# Altium PCB Salico Picker Motor Controller Breakout.PcbDoc
Units mm, origin at the board's own origin, x right, y up, seen from the top; angles counter-clockwise.
Board outline 80 x 50 mm, 4 copper layers (L1, L2, L3, L4), stack 0.603 mm thick; 80 components, 58 nets, 249 pads, 720 vias.
Unrouted connection lines stored in the file: 123.
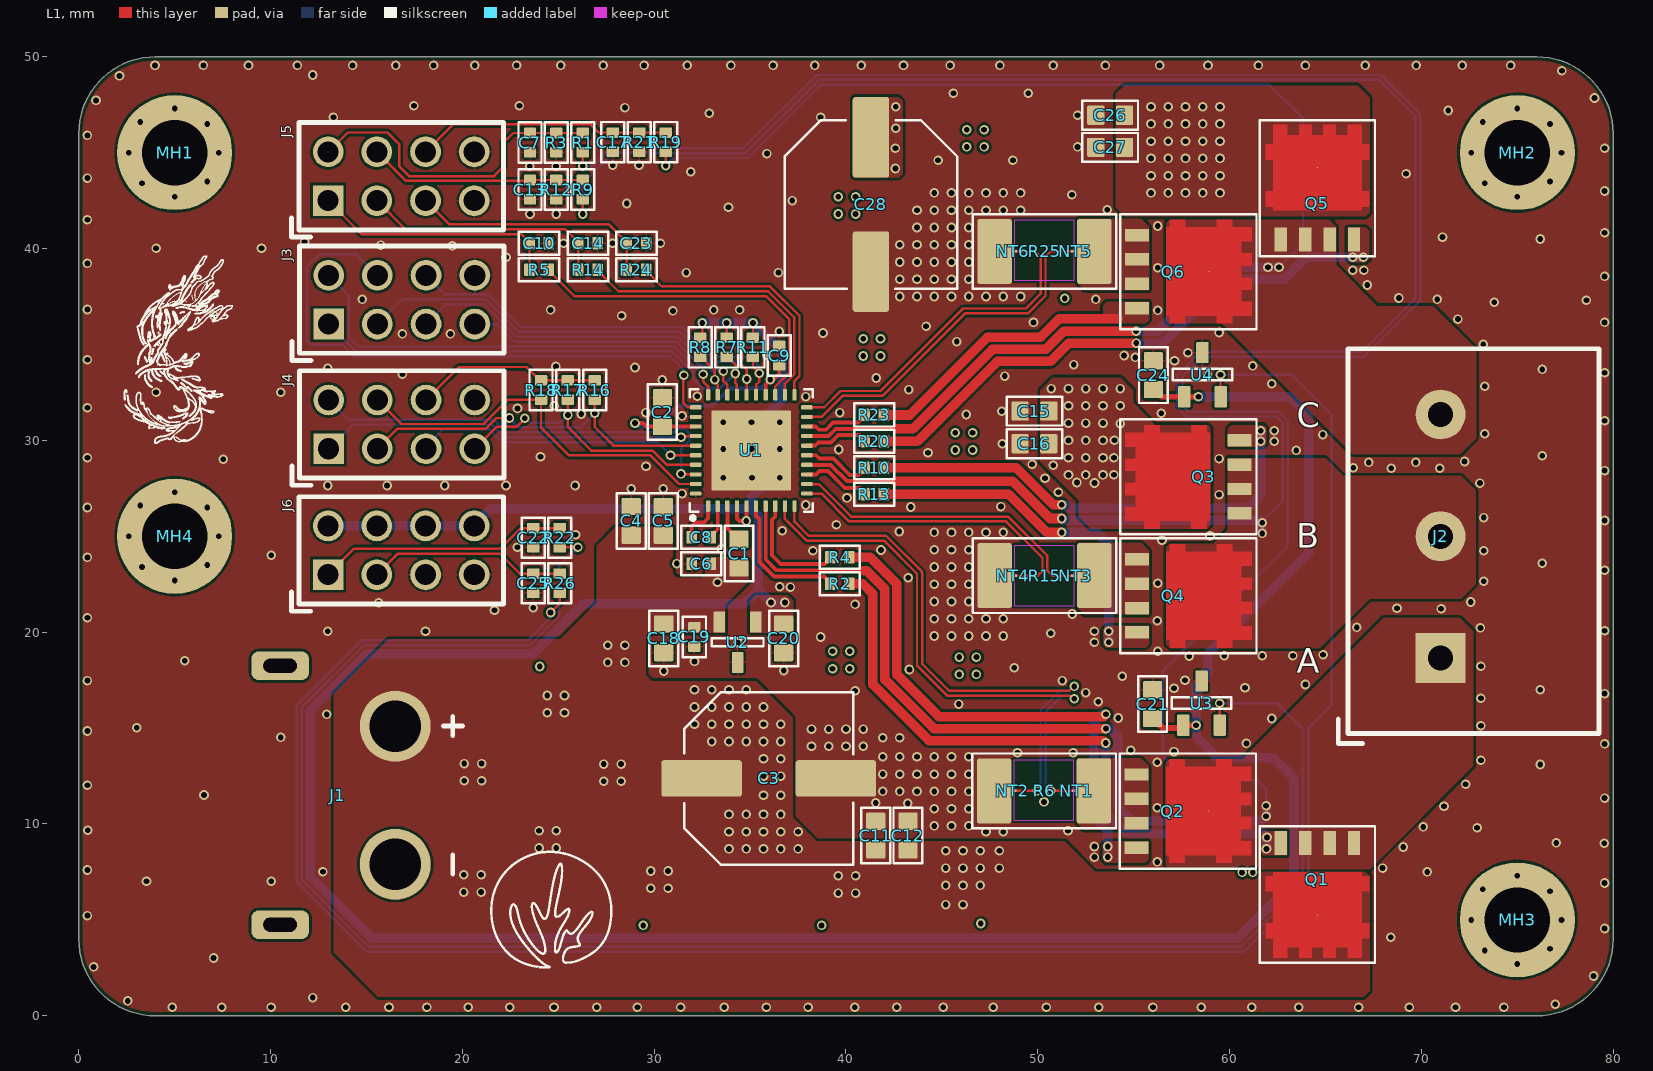
[diagram p0: L1 view]
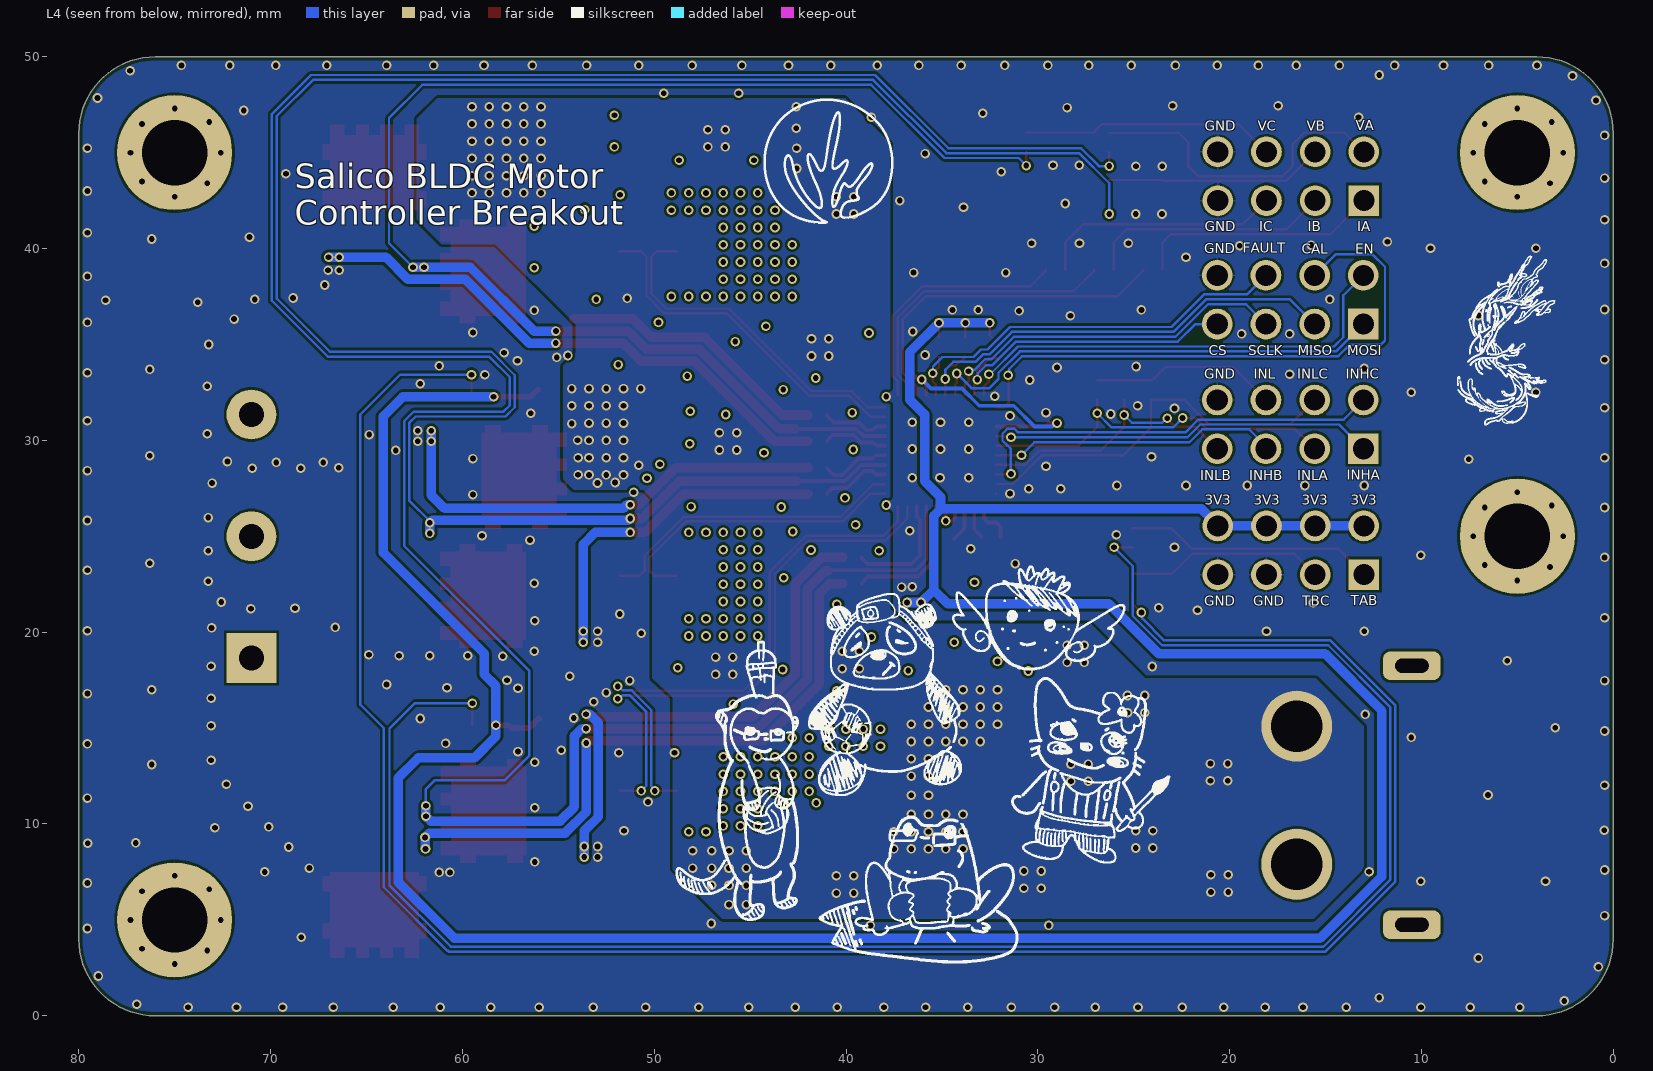
[diagram p1: L4 view, seen from below]
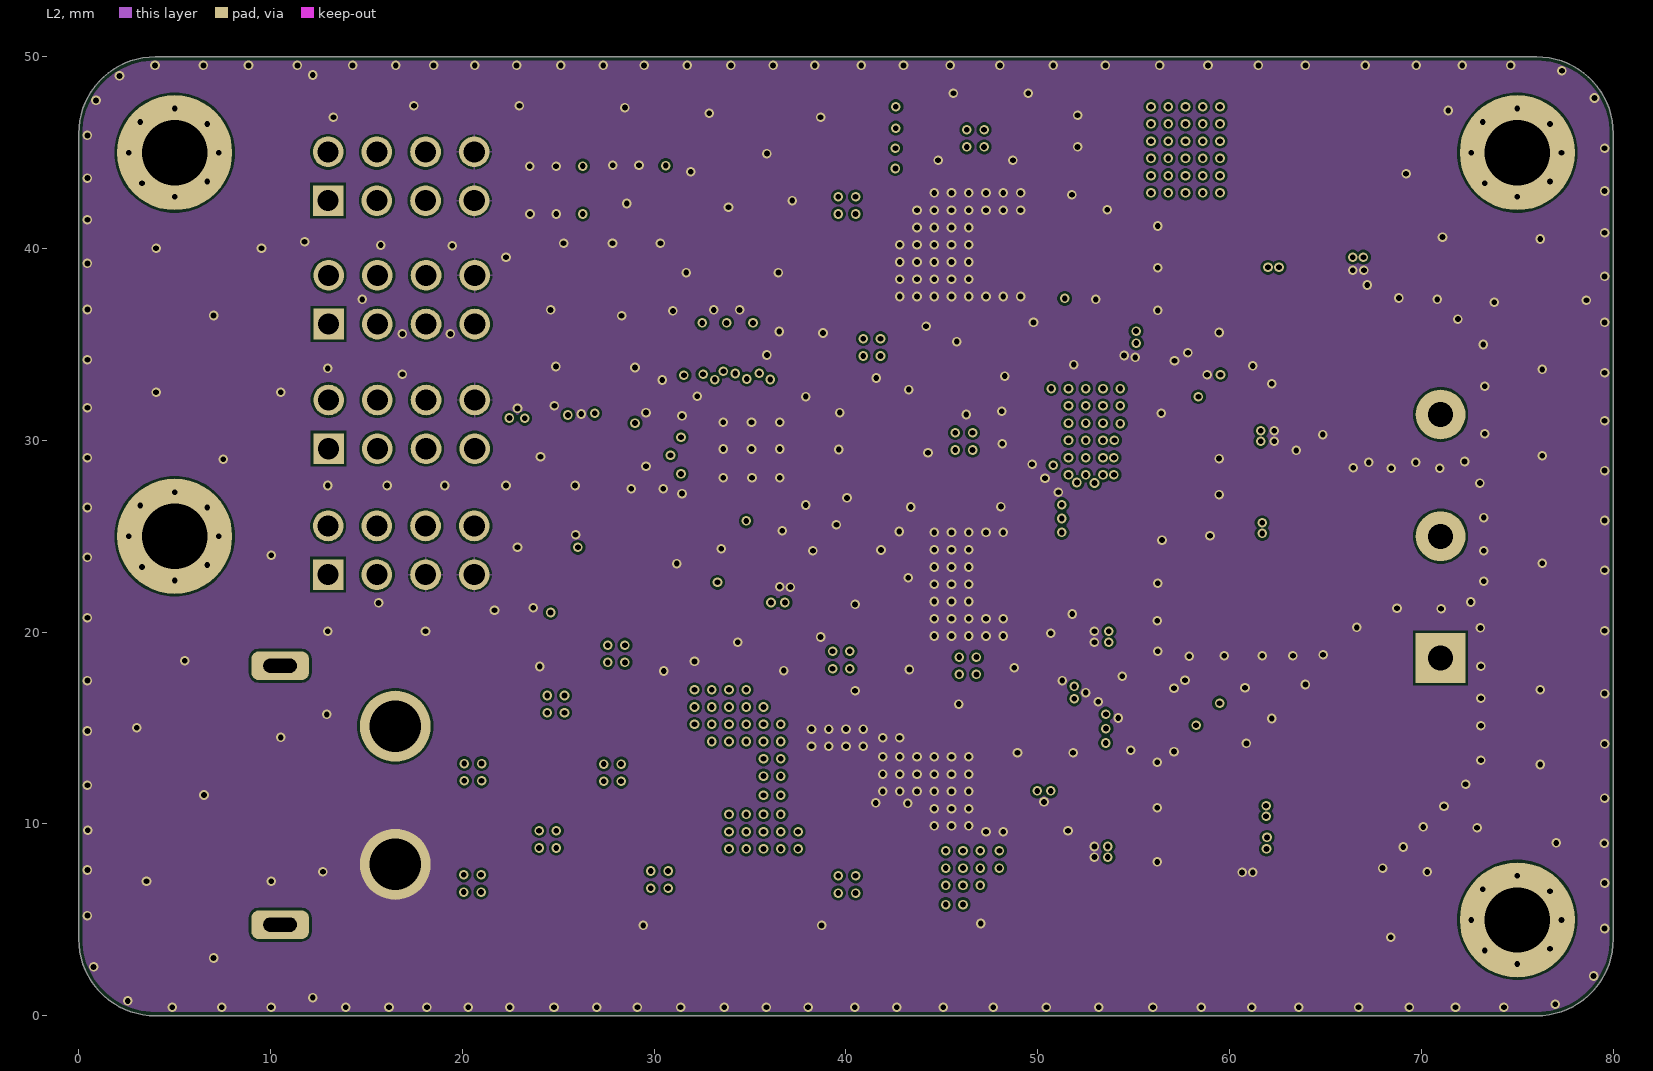
[diagram p2: L2]
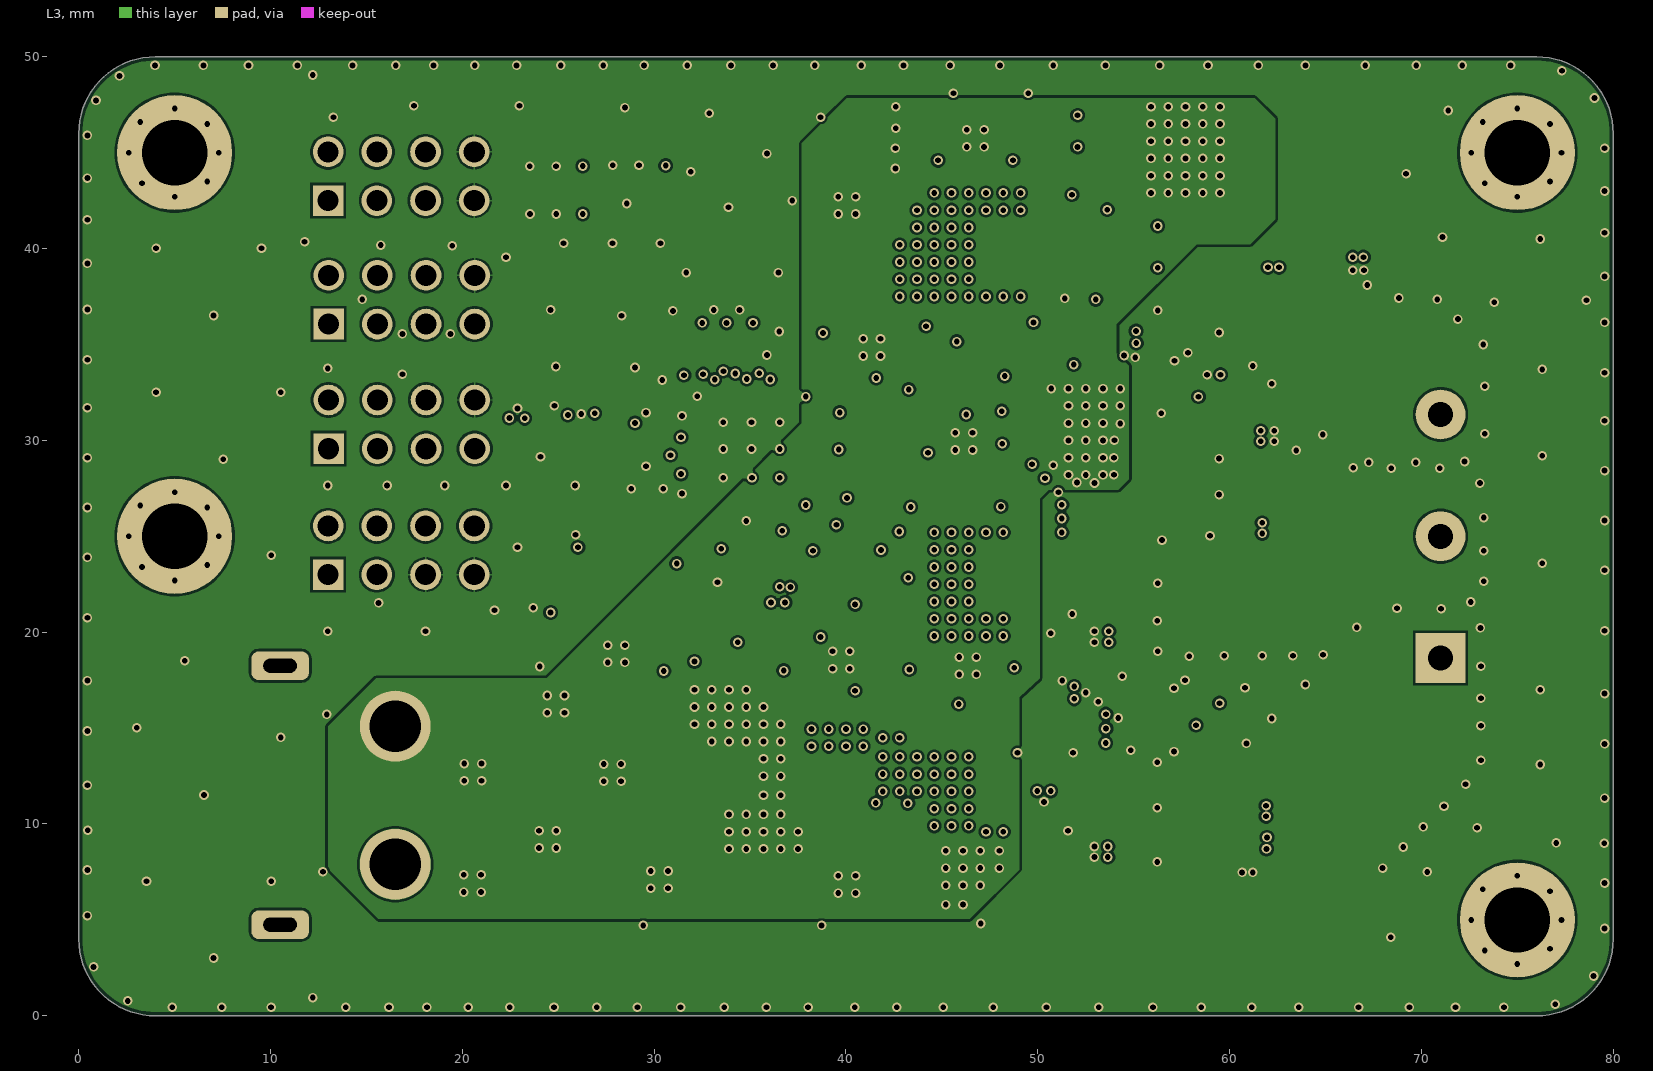
[diagram p3: L3]
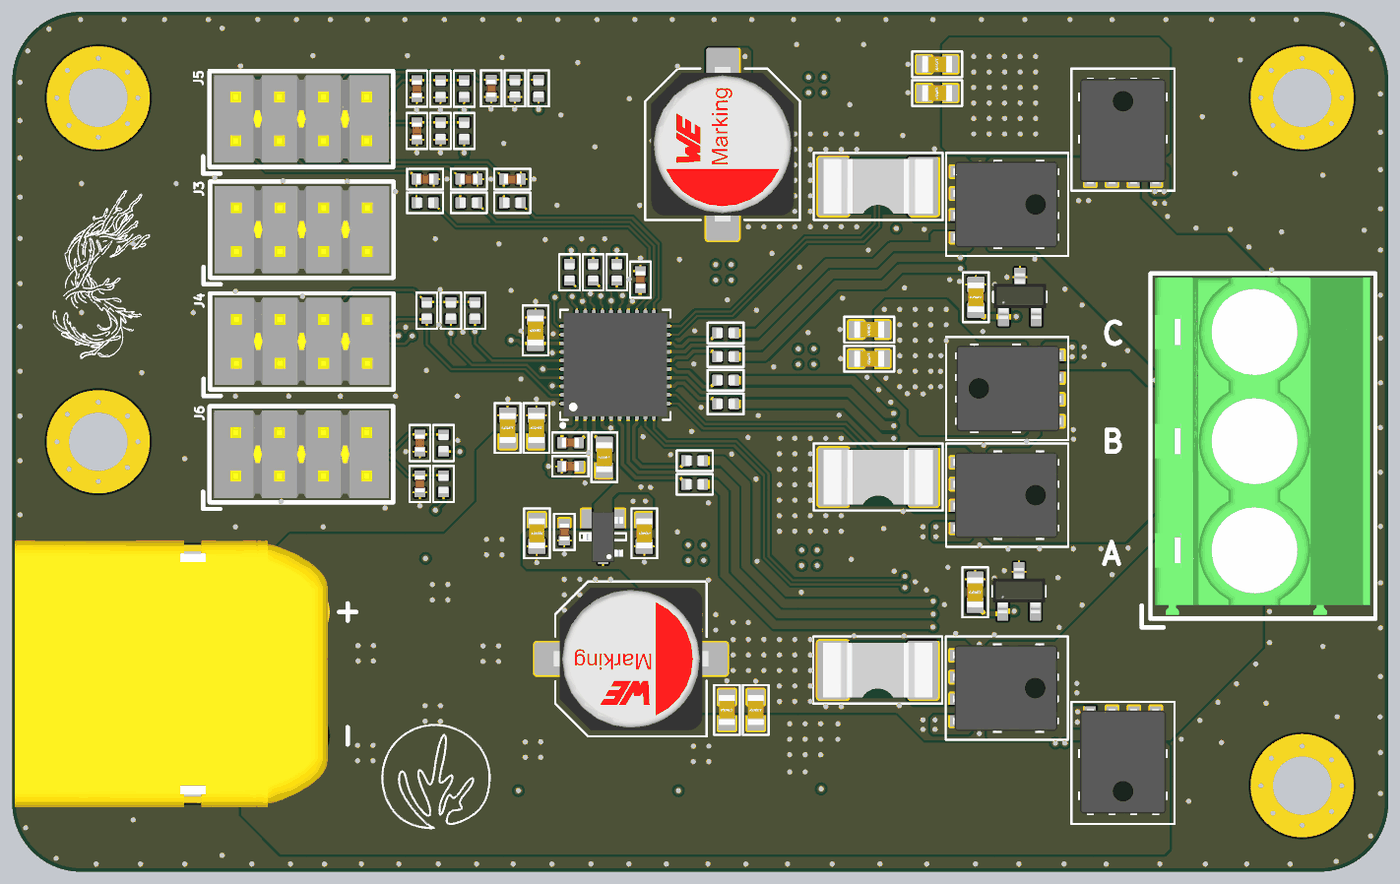
[diagram p4: 3D render of the assembled board from above, using the file's embedded part models]

## Layer stack, top to bottom
Top Solder: solder mask 0.0102, Solder Resist, Dk 3.5
L1: signal copper 0.0356
Dielectric 2: prepreg 0.0711, PP-006, Dk 4.1
L2: signal copper 0.035
Dielectric 1: dielectric 0.32, FR-4, Dk 4.8
L3: signal copper 0.035
Dielectric 3: prepreg 0.0711, PP-006, Dk 4.1
L4: signal copper 0.0356
Bottom Solder: solder mask 0.0102, Solder Resist, Dk 3.5

## Board outline
0,4 0,46 cw(c4,46) 4,50 76,50 cw(c76,46) 80,46 80,4 cw(c76,4) 76,0 4,0 cw(c4,4)

## Design rules (kind name [scope] priority, off if disabled: settings)
BoardOutlineClearance [All] p1: gap=0.2 ignorepadtopadclearanceinfootprint=FALSE
Clearance Clearance_NT [InComponent('NT*')] p1: gap=0 ignorepadtopadclearanceinfootprint=FALSE
Clearance [All] p2: gap=0.127 ignorepadtopadclearanceinfootprint=FALSE
ComponentClearance [All] p1: gap=0.102 collisioncheckmode=3 verticalgap=0.102 showdistances=TRUE
DiffPairsRouting [All] p1: maxlimit=0.102 minlimit=0.102 mostfreqgap=0.102 toplayer_minwidth=0.102 toplayer_maxwidth=1816.048 toplayer_prefwidth=0.102 midlayer1_minwidth=0.102 midlayer1_maxwidth=1816.048 midlayer1_prefwidth=0.102 midlayer2_minwidth=0.102 midlayer2_maxwidth=1816.048 midlayer2_prefwidth=0.102 bottomlayer_minwidth=0.102 bottomlayer_maxwidth=1816.048 bottomlayer_prefwidth=0.102 maxuncoupledlength=12.7
Height [All] p1: minheight=0 maxheight=1816.048 prefheight=12.7
HoleSize [All] p1: absolutevalues=TRUE maxlimit=6.3 minlimit=0.2 maxpercent=80.000 minpercent=20.000
HoleToHoleClearance [All] p1: gap=0.25 allowstackedmicrovias=FALSE
MinimumAnnularRing [All] p1: minimumring=0.076
MinimumSolderMaskSliver [All] p1: minsoldermaskwidth=0
PlaneClearance [All] p1: clearance=0.102
PlaneConnect PlaneConnectPowerPads [InPadClass('PowerPads')] p1: planeconnectstyle=Direct reliefexpansion=0.508 reliefentries=4 reliefconductorwidth=0.254 reliefairgap=0.254
PlaneConnect [All] p2: pad.planeconnectstyle=Relief pad.reliefexpansion=0.3 pad.reliefentries=4 pad.reliefconductorwidth=0.102 pad.reliefairgap=0.102 via.planeconnectstyle=Direct via.reliefexpansion=0.3 via.reliefentries=4 via.reliefconductorwidth=0.127 via.reliefairgap=0.127
PolygonConnect PolygonConnectPowerPads [All vs (InPadClass('PowerPads'))] p1: connectstyle=Direct reliefconductorwidth=0.254 reliefentries=4 polygonreliefangle="90 Angle" airgapwidth=0.254
PolygonConnect [All] p2: thpad.connectstyle=Relief thpad.reliefconductorwidth=0.102 thpad.reliefentries=4 thpad.polygonreliefangle="90 Angle" thpad.airgapwidth=0.102 smdpad.connectstyle=Relief smdpad.reliefconductorwidth=0.102 smdpad.reliefentries=4 smdpad.polygonreliefangle="90 Angle" smdpad.airgapwidth=0.102 via.connectstyle=Direct via.reliefconductorwidth=0.127 via.reliefentries=4 via.polygonreliefangle="90 Angle" via.airgapwidth=0.127
RoutingVias [All] p1: holewidth=0.25 width=0.5 viastyle="Through Hole" minholewidth=0.2 minwidth=0.45 maxholewidth=6.3 maxwidth=6.55
ShortCircuit ShortCircuit_NT [InComponent('NT*')] p1: allowed=TRUE
ShortCircuit [All] p2: allowed=FALSE
SilkToSilkClearance [All] p1: silktosilkclearance=0
SilkToSolderMaskClearance [IsPad] p1: minsilkscreentomaskgap=0.102 clearancetoexposedcopper=TRUE
SolderMaskExpansion [All] p1: expansion=0.102 istentingtop=FALSE
SupplyNets "Schematic Supply Nets_3" [InNet('VBUS')] p1: voltage=0.000
SupplyNets "Schematic Supply Nets_2" [InNet('3V3')] p2: voltage=0.000
SupplyNets "Schematic Supply Nets_1" [InNet('DRV_3V3')] p3: voltage=0.000
SupplyNets "Schematic Supply Nets" [InNet('GND')] p4: voltage=0.000
Width [All] p1: maxlimit=1816.048 minlimit=0.102 preferedwidth=0.127
19 further rules are at their usual default settings.

## Components (designator, comment, footprint, x,y, rotation, side; value= is the part's Value field where it differs from the comment)
C1 "CL10B105KA8NNNC" .CAP_0603-Footprint-1 34.425,24.1 r270 top value=1µF
C2 "CL10B105KA8NNNC" .CAP_0603-Footprint-1 30.425,31.475 r270 top value=1µF
C3 "865080553014" 865080553014-Footprint-1 35.975,12.375 r180 top value=220µF
C4 "GRM188R6YA106MA73D" .CAP_0603-Footprint-1 28.8,25.8 r270 top value=10µF
C5 "GRM188R6YA106MA73D" .CAP_0603-Footprint-1 30.475,25.8 r270 top value=10µF
C6 "GCM155R71H104KE02D" .CAP_0402-Footprint-1 32.45,23.575 r0 top value=100nF
C7 "GCM155R71H104KE02D" .CAP_0402-Footprint-1 23.525,45.525 r90 top value=100nF
C8 "GRM155R71H473KE14D" .CAP_0402-Footprint-1 32.45,24.95 r0 top value=47nF
C9 "GCM155R71H104KE02D" .CAP_0402-Footprint-1 36.525,34.425 r270 top value=100nF
C10 "GCM155R71H104KE02D" .CAP_0402-Footprint-1 24,40.275 r180 top value=100nF
C11 "GRM188R6YA106MA73D" .CAP_0603-Footprint-1 41.55,9.4 r270 top value=10µF
C12 "GRM188R6YA106MA73D" .CAP_0603-Footprint-1 43.225,9.4 r270 top value=10µF
C13 "GCM155R71H104KE02D" .CAP_0402-Footprint-1 23.525,43.075 r90 top value=100nF
C14 "GCM155R71H104KE02D" .CAP_0402-Footprint-1 26.55,40.275 r180 top value=100nF
C15 "GRM188R6YA106MA73D" .CAP_0603-Footprint-1 49.825,31.525 r0 top value=10µF
C16 "GRM188R6YA106MA73D" .CAP_0603-Footprint-1 49.825,29.825 r0 top value=10µF
C17 "GCM155R71H104KE02D" .CAP_0402-Footprint-1 27.85,45.55 r90 top value=100nF
C18 "GRM188R6YA106MA73D" .CAP_0603-Footprint-1 30.5,19.675 r90 top value=10µF
C19 "GCM155R71H104KE02D" .CAP_0402-Footprint-1 32.1,19.75 r90 top value=100nF
C20 "CL10B105KA8NNNC" .CAP_0603-Footprint-1 36.75,19.675 r90 top value=1µF
C21 "CL10B105KA8NNNC" .CAP_0603-Footprint-1 55.986,16.25 r270 top value=1µF
C22 "GCM155R71H104KE02D" .CAP_0402-Footprint-1 23.7,24.925 r90 top value=100nF
C23 "GCM155R71H104KE02D" .CAP_0402-Footprint-1 29.075,40.275 r180 top value=100nF
C24 "CL10B105KA8NNNC" .CAP_0603-Footprint-1 56.026,33.4 r270 top value=1µF
C25 "GCM155R71H104KE02D" .CAP_0402-Footprint-1 23.7,22.55 r90 top value=100nF
C26 "GRM188R6YA106MA73D" .CAP_0603-Footprint-1 53.775,46.95 r0 top value=10µF
C27 "GRM188R6YA106MA73D" .CAP_0603-Footprint-1 53.775,45.275 r0 top value=10µF
C28 "865080553014" 865080553014-Footprint-1 41.3,42.3 r90 top value=220µF
J1 "XT60PW-M" XT60PW-M-Footprint-1 10.5,11.5 r90 top
J2 "1714968" 1714968-Footprint-1 71,18.65 r180 top
J3 "TSW-104-07-F-D" TSW-104-07-F-D-Footprint-1 13.026,36.066 r90 top
J4 "TSW-104-07-F-D" TSW-104-07-F-D-Footprint-1 13.026,29.566 r90 top
J5 "TSW-104-07-F-D" TSW-104-07-F-D-Footprint-1 13,42.5 r90 top
J6 "TSW-104-07-F-D" TSW-104-07-F-D-Footprint-1 13,23 r90 top
MH1 "M3HOLE-STANDARD" M3HOLE-STANDARD-Footprint-1 5,45 r0 top
MH2 "M3HOLE-STANDARD" M3HOLE-STANDARD-Footprint-1 75,45 r0 top
MH3 "M3HOLE-STANDARD" M3HOLE-STANDARD-Footprint-1 75,5 r0 top
MH4 "M3HOLE-STANDARD" M3HOLE-STANDARD-Footprint-1 5,25 r0 top
NT1 "NET_TIE_127um" NET_TIE_127um-Footprint-1 51.898,11.725 r90 top
NT2 "NET_TIE_127um" NET_TIE_127um-Footprint-1 48.762,11.725 r270 top
NT3 "NET_TIE_127um" NET_TIE_127um-Footprint-1 51.848,22.95 r90 top
NT4 "NET_TIE_127um" NET_TIE_127um-Footprint-1 48.777,22.95 r270 top
NT5 "NET_TIE_127um" NET_TIE_127um-Footprint-1 51.86,39.85 r90 top
NT6 "NET_TIE_127um" NET_TIE_127um-Footprint-1 48.777,39.85 r270 top
Q1 "STL305N4LF8AG" STL305N4LF8AG-Footprint-1 64.58,7.475 r180 top
Q2 "STL305N4LF8AG" STL305N4LF8AG-Footprint-1 56.675,10.675 r270 top
Q3 "STL305N4LF8AG" STL305N4LF8AG-Footprint-1 59,28.1 r90 top
Q4 "STL305N4LF8AG" STL305N4LF8AG-Footprint-1 56.7,21.895 r270 top
Q5 "STL305N4LF8AG" STL305N4LF8AG-Footprint-1 64.58,42 r0 top
Q6 "STL305N4LF8AG" STL305N4LF8AG-Footprint-1 56.7,38.8 r270 top
R1 "RC0402FR-0766K5L" .RES_0402-Footprint-1 26.275,45.525 r270 top value=66.5k
R2 "RC0402JR-070RL" .RES_0402-Footprint-1 39.675,22.525 r0 top value=0
R3 "RC0402FR-0710KL" .RES_0402-Footprint-1 24.9,45.525 r90 top value=10k
R4 "RC0402JR-070RL" .RES_0402-Footprint-1 39.675,23.9 r0 top value=0
R5 "RC0402JR-070RL" .RES_0402-Footprint-1 24,38.9 r180 top value=0
R6 "WSLF25121L000FEA" WSLF25121L000FEA-Footprint-1 50.325,11.725 r0 top value=1m
R7 "RC0402FR-074K7L" .RES_0402-Footprint-1 33.775,34.85 r90 top value=4.7k
R8 "RC0402FR-074K7L" .RES_0402-Footprint-1 32.4,34.85 r90 top value=4.7k
R9 "RC0402FR-0766K5L" .RES_0402-Footprint-1 26.275,43.075 r270 top value=66.5k
R10 "RC0402JR-070RL" .RES_0402-Footprint-1 41.475,28.575 r0 top value=0
R11 "RC0402FR-074K7L" .RES_0402-Footprint-1 35.15,34.85 r90 top value=4.7k
R12 "RC0402FR-0710KL" .RES_0402-Footprint-1 24.9,43.075 r90 top value=10k
R13 "RC0402JR-070RL" .RES_0402-Footprint-1 41.475,27.2 r0 top value=0
R14 "RC0402JR-070RL" .RES_0402-Footprint-1 26.55,38.9 r180 top value=0
R15 "WSLF25121L000FEA" WSLF25121L000FEA-Footprint-1 50.35,22.95 r0 top value=1m
R16 "RC0402JR-070RL" .RES_0402-Footprint-1 26.9,32.625 r270 top value=0
R17 "RC0402JR-070RL" .RES_0402-Footprint-1 25.5,32.625 r270 top value=0
R18 "RC0402JR-070RL" .RES_0402-Footprint-1 24.1,32.625 r270 top value=0
R19 "RC0402FR-0766K5L" .RES_0402-Footprint-1 30.6,45.55 r270 top value=66.5k
R20 "RC0402JR-070RL" .RES_0402-Footprint-1 41.475,29.95 r0 top value=0
R21 "RC0402FR-0710KL" .RES_0402-Footprint-1 29.225,45.55 r90 top value=10k
R22 "RC0402JR-070RL" .RES_0402-Footprint-1 25.075,24.925 r90 top value=0
R23 "RC0402JR-070RL" .RES_0402-Footprint-1 41.475,31.325 r0 top value=0
R24 "RC0402JR-070RL" .RES_0402-Footprint-1 29.075,38.9 r180 top value=0
R25 "WSLF25121L000FEA" WSLF25121L000FEA-Footprint-1 50.35,39.85 r0 top value=1m
R26 "RC0402JR-070RL" .RES_0402-Footprint-1 25.075,22.55 r90 top value=0
U1 "DRV8323SRTAT" QFN50P600X600X80_HS-41N 35.063,29.474 r90 top
U2 "TLV76033DBZR" TLV76033DBZR-Footprint-1 35.3,20.525 r270 top
U3 "MCP9700T-E/TT" MCP9700T-E_TT-Footprint-1 57.586,15.15 r0 top
U4 "MCP9700T-E/TT" MCP9700T-E_TT-Footprint-1 57.634,32.275 r0 top

## Footprints (in the part's own frame and the unit in brackets; to place one, negate y for a bottom-side part, rotate by r counter-clockwise, add the part's x,y. Pads: shape width x height; smd on the part's side, far side on the other; paste and mask are expansions set on the pad)
1714968-Footprint-1 [mm]
  rect 2.6x2.6 hole 1.3: 1(0,0)
  round 2.6 hole 1.3: 2(0,-6.35) 3(0,-12.7)
  silkscreen extent -8.25,-16.13 5.33,4.45, body extent -7.95,-15.91 4.57,3.71, height 21.51
865080553014-Footprint-1 [mm]
  rrect15% 4.2x1.9 smd: 1(3.5,0) 2(-3.5,0)
  silkscreen extent -4.4,-4.5 4.4,4.5, body extent -4.5,-4.15 4.5,4.15, height 10.51
.CAP_0402-Footprint-1 [mm]
  rrect15% 0.55x0.65 smd: 1(-0.5,0) 2(0.5,0)
  silkscreen extent -1.05,-0.6 1.05,0.6, body extent -0.5,-0.27 0.5,0.28, height 0.51
.CAP_0603-Footprint-1 [mm]
  rrect15% 0.9x1 smd: 1(-0.75,0) 2(0.75,0)
  silkscreen extent -1.45,-0.75 1.45,0.75, body extent -0.87,-0.48 0.87,0.48, height 0.87
.RES_0402-Footprint-1 [mm]
  rrect15% 0.55x0.65 smd: 1(-0.5,0) 2(0.5,0)
  silkscreen extent -1.05,-0.6 1.05,0.6, body extent -0.53,-0.28 0.53,0.28, height 0.41
M3HOLE-STANDARD-Footprint-1 [mm]
  round 6 hole 3.4: 1(0,0)
MCP9700T-E_TT-Footprint-1 [mm]
  rrect15% 0.65x1.1 smd: 1(0,0) 2(1.9,0) 3(0.95,2.3)
  silkscreen extent -0.6,0.85 2.5,1.45, body extent -0.58,-0.12 2.48,2.52, height 1.12
NET_TIE_127um-Footprint-1 [mil]
  rect 5x10 smd mask+0: 1(0,0)
  rect 5x5 smd mask+0: 2(0,-5) 2(0,-7.5)
QFN50P600X600X80_HS-41N [mm] "QFN, 40-Leads, Body 6.00x6.00mm, Pitch 0.50mm, Thermal Pad 4.72x4.72mm, IPC Medium Density"
  rrect45% 0.6x0.22 smd mask+0.07: 1(-2.9,2.25) 2(-2.9,1.75) 3(-2.9,1.25) 4(-2.9,0.75) 5(-2.9,0.25) 6(-2.9,-0.25) 7(-2.9,-0.75) 8(-2.9,-1.25) 9(-2.9,-1.75) 10(-2.9,-2.25) 21(2.9,-2.25) 22(2.9,-1.75) 23(2.9,-1.25) 24(2.9,-0.75) 25(2.9,-0.25) 26(2.9,0.25) 27(2.9,0.75) 28(2.9,1.25) 29(2.9,1.75) 30(2.9,2.25)
  rrect45% 0.22x0.6 smd mask+0.07: 11(-2.25,-2.9) 12(-1.75,-2.9) 13(-1.25,-2.9) 14(-0.75,-2.9) 15(-0.25,-2.9) 16(0.25,-2.9) 17(0.75,-2.9) 18(1.25,-2.9) 19(1.75,-2.9) 20(2.25,-2.9) 31(2.25,2.9) 32(1.75,2.9) 33(1.25,2.9) 34(0.75,2.9) 35(0.25,2.9) 36(-0.25,2.9) 37(-0.75,2.9) 38(-1.25,2.9) 39(-1.75,2.9) 40(-2.25,2.9)
  rrect2% 4.15x4.15 smd mask+0.07: 41(0,0)
  silkscreen extent -3.62,-3.2 3.2,3.2, body extent -3,-3 3,3, height 0.81
STL305N4LF8AG-Footprint-1 [mm]
  rrect5% 0.65x1.25 smd: 1(1.905,-1.525) 2(-1.905,-1.525) 2(-0.635,-1.525) 2(0.635,-1.525)
  round 0.025 smd: 3(0,2.225)
  L1 region: -2.7,0.19 -2.3,0.19 -2.3,0 2.3,0 2.3,0.19 2.7,0.19 2.7,0.99 2.3,0.99 2.3,2.64 2.7,2.64 2.7,3.44 2.3,3.44 2.3,4.45 1.575,4.45 1.575,3.9 0.95,3.9 0.95,4.45 0.31,4.45 0.31,3.9 -0.31,3.9 -0.31,4.45 -0.95,4.45 -0.95,3.9 -1.575,3.9 -1.575,4.45 -2.3,4.45 -2.3,3.44 -2.7,3.44 -2.7,2.64 -2.3,2.64 -2.3,0.99 -2.7,0.99
  silkscreen extent -3,-2.4 3,4.7, body extent -2.6,-1.97 2.6,4.18, height 1.01
TLV76033DBZR-Footprint-1 [mm]
  rrect15% 1.1x0.6 smd: 1(0,0) 2(0,-1.9) 3(2.1,-0.95)
  silkscreen extent 0.85,-2.3 1.25,0.4, body extent -0.13,-2.41 2.23,0.51, height 1.12
TSW-104-07-F-D-Footprint-1 [mm]
  rect 1.6x1.6 hole 1.1: 1(0,0)
  round 1.6 hole 1.1: 2(0,-2.54) 3(0,-5.08) 4(0,-7.62) 5(2.54,-7.62) 6(2.54,-5.08) 7(2.54,-2.54) 8(2.54,0)
  silkscreen extent -1.91,-9.14 4.06,1.91, body extent -1.27,-8.89 3.81,1.27, height 8.39
WSLF25121L000FEA-Footprint-1 [mm]
  rrect15% 1.8x3.4 smd: 1(-2.6,0) 2(2.6,0)
  silkscreen extent -3.75,-1.95 3.75,1.95, body extent -3.17,-1.59 3.17,1.59, height 0.83